# Allegro board RK_EXCAVATOR_MAIN_V12_20161114_FZBFINAL.brd (continued)
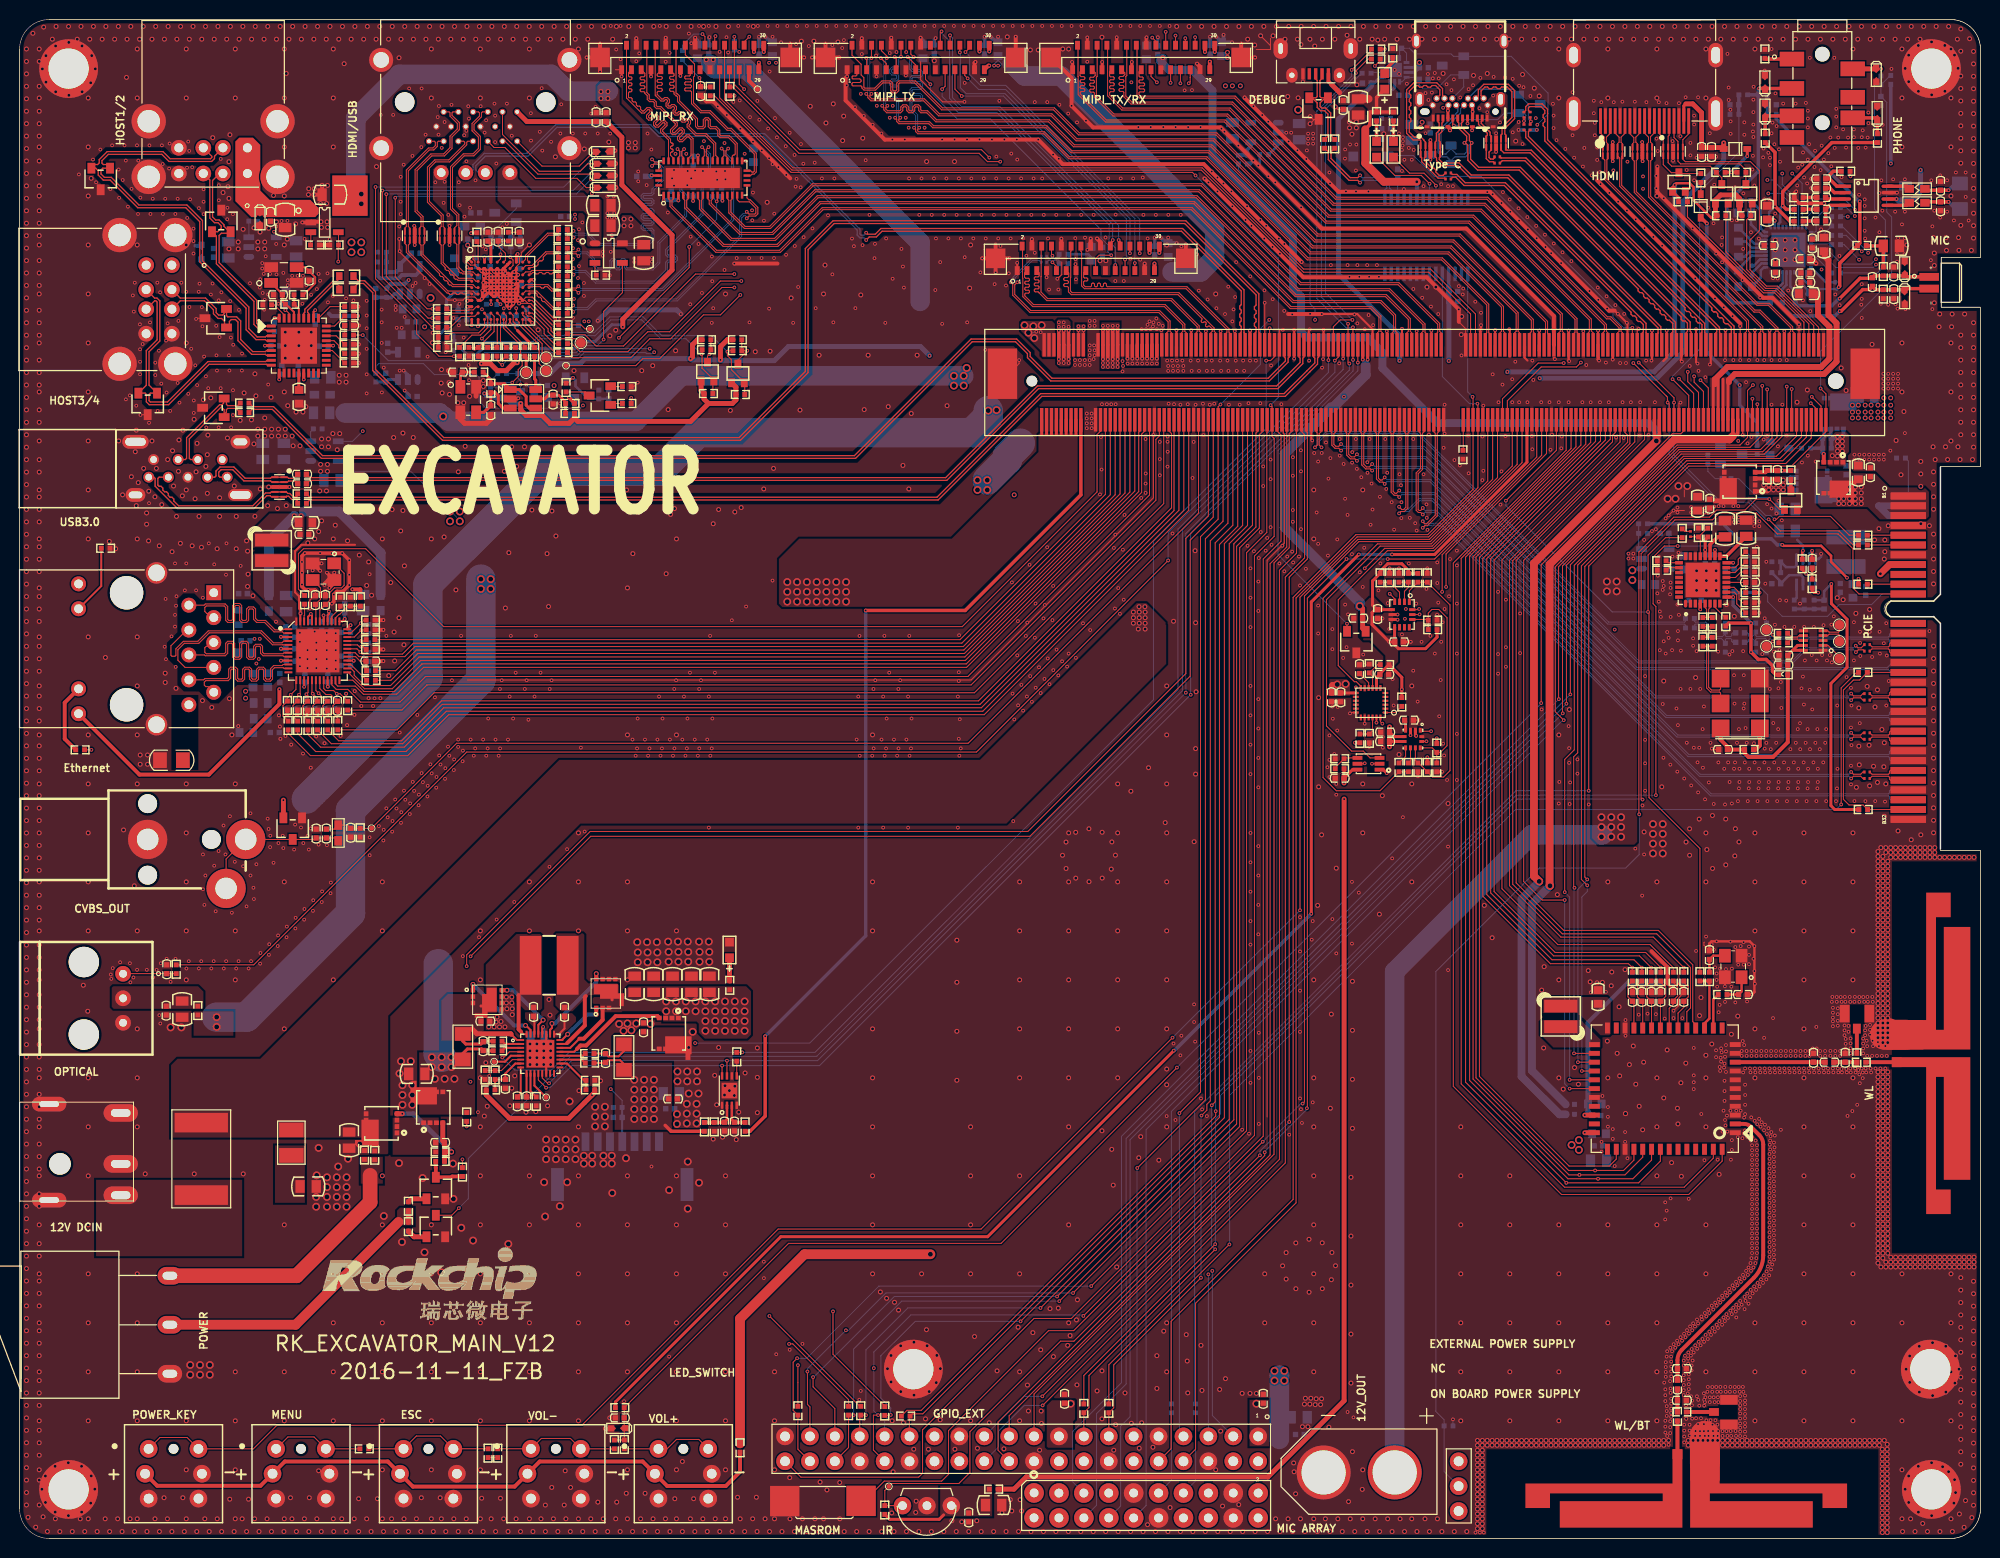
[diagram p0: board, top side]
## Nets (continued)
N15446574: TP8305.1 U8301.5(D\I\F\F\1\)
N15446739: R8303.1 U8301.8(D\I\F\F\2\)
N15446741: R8301.1 U8301.7(DIFF2)
N15848389: R8106.2 U8105.1(KEY1) U8105.2(KEY2)
N15897623: R8921.1 U8912.3(OCB)
N15964726: C2503.1 R2500.2 R2501.1
N15965181: C2500.2 U7101.5(IN2P)
N15965221: C2501.2 U7101.6(IN2N/JD2)
N16044066: ANT6103.1(ANT) R6103.2
N16100332: R9016.2 U8916.1(E/D)
N16101038: R9017.1 U8916.5(C-OUT)
N16101042: R9018.1 U8916.4(OUT)
N16352744: R8502.2 U8503.J7(REFCLK)
N16519464: C50056.1 R2233.1 R2237.2 U23033.2(CELL)
N16519582: C50057.1 R2234.1 U23033.3(VDD)
N16716934: C50060.2 R8944.2 R8963.1 R9025.1 U8911.4(BP)
N16716974: C50059.1 R8946.2 U8911.3(S\H\D\N\)
N16728445: C50042.1 R89527.2 U23031.3(S\H\D\N\)
N16729605: C8504.2 R89529.2 R89530.2 U8502.5(VCC)
N16735818: C903.2 L900.1 U900.3(SW)
N16735886: C904.2 R906.2 R908.2 R910.1
N16735898: R908.1 U900.8(FB)
N16735910: C908.1 R907.1 U900.7(VCC)
N16735918: R905.2 U900.6(EN)
N16735938: C903.1 R904.2
N16735942: R904.1 U900.5(BST)
N16735950: R907.2 R909.1 U900.1(AAM)
N16740044: C50065.2 Q8505.1(GATE) R89541.2 R89542.1
N16740100: Q8504.3(COLLECTOR) R89542.2
N16774281: R89544.1 U90010.3(OCB)
N16795367: R89546.1 U8914.6(SCL)
N16795370: R89547.1 U8914.7(SDA)
N16795373: R8928.1 U8914.5(INT#)
N16817852: TP50264.1 U7101.26(ADCDAT2)
N16818658: TP50268.1 U8503.K8(A_SD3)
N16818661: TP50267.1 U8503.K9(A_SD2)
N16818664: TP50266.1 U8503.J10(A_SD1)
N58796181: D4501.2(K) R4502.1 R4506.1
N58904798: C2617.2 J2601.1(TCT) R2635.2
N58904841: C2618.2 J2601.10(EARTH)
N59272826: J7103.1 R7127.1
N59272968: ED7101.1 J7103.7 R7124.2
N59272970: ED7103.1 J7103.3 R7122.2
N59274794: C7125.2 FB7102.2 J7104.2(+)
N59274796: C7121.1 FB7101.2 J7104.1(-)
N59274798: FB7102.1 U7102.5(VO1)
N59274800: FB7101.1 U7102.8(VO2)
N59274804: C7126.1 R7126.2
N59274823: C7122.2 U7102.2(BYPASS)
N59274825: C7124.2 U7102.3(IN+)
N59274837: C7124.1 R7125.2
N61624710: C7120.2 R7123.2 U7102.1(EN)
N61688341: D4502.2(K) R4504.1
N62644273: C503.2 C504.1 Q503.2(D1_1) Q503.3(D1_2) Q503.4(D1_3) R502.2 R507.1 U501.1(VBUS)
N62644275: R507.2 U501.2(ACN)
N62644542: R517.2 R520.2 U501.6(ILIM_HIZ)
N62644564: C517.2 R514.2 R517.1 U501.7(VDDA)
N62644679: Q503.1(G1) U501.31(HIDRV1)
N62644727: Q503.8(G2) U501.29(LODRV1)
N62644729: C510.1 L501.1 Q503.9(S1_D2) U501.32(SW1)
N62644843: Q504.8(G2) U501.26(LODRV2)
N62644900: C507.1 L501.2 Q504.9(S1_D2) U501.23(SW2)
N62644906: Q504.1(G1) U501.24(HIDRV2)
N62645064: R516.1 R518.1 U501.18(CELL_BATPRES)
N62645078: C519.1 U501.9(IBAT)
N62645082: C520.1 U501.8(IADPT)
N62645094: R521.1 U501.10(PSYS)
N62645124: C510.2 U501.30(BTST1)
N62645126: C507.2 U501.25(BTST2)
N62645172: R506.2 U501.3(ACP)
N66050367: R8509.1 U8503.C10(MIPI_CP)
N66050369: R8510.1 U8503.C9(MIPI_CN)
N66050371: R8511.1 U8503.F10(MIPI_D0P)
N66050373: R8514.1 U8503.F9(MIPI_D0N)
N66050375: R8515.1 U8503.E10(MIPI_D1P)
N66050377: R8518.1 U8503.E9(MIPI_D1N)
N66050379: R8519.1 U8503.B10(MIPI_D2P)
N66050381: R8522.1 U8503.B9(MIPI_D2N)
N66050383: R8523.1 U8503.A10(MIPI_D3P)
N66050385: R8525.1 U8503.A9(MIPI_D3N)
N66050507: C8509.1 L8501.1 Q8501.3(COLLECTOR)
N66050754: C8511.2 Q8501.2(EMITTER) R8539.2
N66050782: C8510.2 Q8501.1(BASE) R8535.1
N66050908: C8513.1 R8538.2 U8503.A6(PFIL)
N66051127: C8506.2 R8506.1 U8502.3(IN A2) Y8501.3(XOUT)
N66051175: C8505.1 R8508.1 Y8501.1(XIN)
N66051187: R8532.2 U8503.G4(VPGM)
N66051189: R8506.2 R8508.2 U8502.1(IN A1) U8502.4(OUT Y2)
N66051220: R8502.1 U8502.6(OUT Y1)
N66051903: R8527.2 U8503.J3(HPDO)
N66051964: R8513.2 U8503.J2(DDC_SDA)
N66051966: R8517.2 U8503.J1(DDC_SCL)
N66051998: R8521.2 U8503.H2(CEC)
N66052000: R8524.2 U8503.K3(HPDI)
N66052017: R8535.2 U8503.A5(DAOUT)
N66052058: C8511.1 U8503.B7(PCLKIN)
N66052142: C8512.1 R8538.1
N66052163: R8531.2 U8503.A2(REXT)
N66052184: C8507.1 U8503.A4(BIASDA)
N66052326: R8534.1 U8503.G10(A_OSCK)
N66052328: R8528.1 U8503.J9(A_SCK)
N66052330: R8529.1 U8503.H10(A_WFS)
N66052332: R8530.1 U8503.H9(A_SD0)
N66052339: R8507.1 U8503.G5(TEST)
N66052404: R8536.1 U8503.J6(IR)
N66052415: R8536.2 TP50263.1
N147164006: R8001.1 U8001.7(INT)
N147172240: R8005.1 U8002.1(NC#1)
N167282351: C50035.2 U23031.4(BP)
N167397720: Q8504.1(BASE) R8545.2
N167397721: Q8504.2(EMITTER) R8546.1
N1463967322: TP501.1 U501.11(P\R\O\C\H\O\T\)
N1463967330: TP502.1 U501.5(ENZ_OTG)

Pads without a net: J508 4; J1400 4; J2601 17 18; J4501 14; J4601 17; J4701 18; J7101 14; J7103 4 6; J8301 A5 A6 A7 A8 A19 A32 B9 B12 B30; J8303 1; J8501 14; J9002 27 28; U501 15 16 17; U1401 2 3 6 8 9 10 11 12 13 14 19 24 27 28; U2601 12; U4601 17 19 41 42; U6101 12 24 33 35 37 44 45 46 47 48; U7101 4 24 25 38; U8002 2 3 4 5 6 7 14 15 16 17 19 21; U8003 9 10 11; U8301 3; U8302 1 2 3 8 23 24 27 28 29 30 31 32; U8904 12 13 16 17 18 19 20 21; U8914 3 8; U8916 2

## Via types
v1: diameter 0.375, hole 0.2, TOP to BOTTOM, 3391 vias
v2: diameter 0.5, hole 0.3, TOP to BOTTOM, 2575 vias
v3: diameter 0.8, hole 0.5, TOP to BOTTOM, 282 vias
v4: diameter 0.4, hole 0.2, TOP to BOTTOM, 53 vias
v5: diameter 0.35, hole 0.2, TOP to BOTTOM, 7 vias

## Routing (per net, layer and track width the routed paths; a pad name or vN(x,y) marks a point on that pad's centre or on a via; arc(x,y) is an arc through that point)
12V_OUT: length 78.8
  TOP w0.102: 169.8,106.3 169.8,107
  BOTTOM w2: J8302.2 140.26,57.86 154.2,71.8 161.47,71.8
  vias: v3(161.35,73.6) v3(161.35,72.6) v3(161.35,71.6) v3(161.9,97.65) v3(161.9,96.65) v3(162.35,73.6) v3(162.35,72.6) v3(162.35,71.6) v3(162.9,97.65) v3(162.9,96.65) v3(163.35,73.6) v3(163.35,72.6) v3(163.35,71.6) v3(168.1,106.1) v3(168.9,106.1) v3(169.2,107.4) v3(170.1,107.4)
12V_SWITCH: length 134.3
  TOP w0.102: v1(46,59.4) 58.25,71.65 103.05,71.65 119.4,88 119.4,101.88 121.75,104.23 J9001.67 ; R89551.2 v1(45.17,38.68)
  S1 w0.102: v1(45.17,38.68) 45.17,58.57 v1(46,59.4)
AVDD1V0_RGMII: length 3.7
  TOP w0.2: v4(26.66,92.01) 26.68,91.99 U2601.3
  TOP w0.203: U2601.9 26.68,89.59 v4(26.66,89.57) ; U2601.40 31.42,94.22 31.55,94.35 v1(31.55,94.6)
  BOTTOM w0.4: C2612.1 31.77,94.23 31.55,94.45 v1(31.55,94.6)
AVDD3V3_RGMII: length 9.7
  TOP w0.2: v4(26.66,90.79) 26.66,90.79 U2601.6
  TOP w0.203: U2601.44 29.82,94.13 v1(29.71,94.35) 29.42,94.06 U2601.45 ; U2601.41 31.02,94.18 v1(31,94.2)
  TOP w0.4: v1(33.95,96.85) 34.75,96.85 34.75,96.85 R2629.1
  S1 w0.4: v1(31,94.2) 31.15,94.05 31.75,94.05 33.95,96.25 v1(33.95,96.85)
  BOTTOM w0.381: FB2602.2 23.88,85.27
  BOTTOM w0.4: C2607.1 26.66,90.79 v4(26.66,90.79)
  vias: v2(23.05,86.45) v2(23.05,85.75)
DVDD1V0_RGMII: length 1.2
  TOP w0.203: U2601.28 34.06,89.59 v4(34.08,89.57)
  TOP w0.254: v4(33.75,93.2) 33.42,92.87 U2601.36
DVDD3V3_RGMII: length 38.3
  TOP w0.203: U2601.21 31.42,86.94 v4(31.44,86.93) ; U2601.15 v1(29.02,86.91) ; v4(33.16,93.84) 32.91,93.58 32.62,93.58 U2601.37
  TOP w0.4: v1(26.5,86.65) 26.5,85.15 19.3,77.95 12.23,77.95 J2601.14
  S1 w0.4: v4(31.44,86.93) 32.8,88.29 32.8,93.47 v4(33.16,93.84)
  BOTTOM w0.305: C2610.1 29.1,87.03 29,86.93 ; C2629.1 v4(33.16,93.84)
GND: length 874.1
  TOP w0.102: 67.53,138.83 U4601.43 ; U4601.43 69.69,138.79 ; U4601.43 69.69,139.54 ; U8503.G9 51.64,126.67 52.31,126.67 54.53,124.45 v1(54.9,124.45) ; U8503.G9 51.54,126.35 51.87,126.02 52.14,126.02 54.31,123.85 ; U8503.G9 51.27,126.35 50.97,126.05 ; 127.59,153.09 127.59,152.34 ; 127.59,152.34 127.59,151.95 126.15,151.95 ; 127.59,152.34 v2(126.58,153.35) ; v1(119.5,123.3) J9001.58 ; v2(135.65,144.55) v2(136.35,144.55) 136.53,144.73 C1401.2 ; v1(55.13,115.82) 55.08,115.78 C8504.1 ; C6105.2 170,16.89 ; v2(134.2,146.1) 134.47,145.83 C1402.2 ; v1(105.85,128.55) 106.06,128.76 106.08,128.76 106.3,128.98 106.3,130.25 ; v1(182.02,93.02) 181.95,92.96 U8301.6 ; C6111.1 169.36,55.33 169.36,55.28 169.2,55.12 169.2,54.35 v1(168.7,53.85) ; U8902.3 8.27,137.93 ; v1(131.58,123.39) 131.5,123.3 ; v1(128.85,123.35) 128.5,123.35 J9001.94 ; R8006.1 v1(137.67,80.77) 137.65,80.75 ; J9001.298 v1(181.5,123.9) ; U8503.B8 50.67,129.78 51,130.11 51,130.76 51.17,130.92 51.17,131.22 51.85,131.9 ; v1(169.41,115.91) 169.36,115.91 169.25,115.8 J9001.251 ; 132.08,144.82 131.93,144.82 v2(131.65,145.1) ; 132.08,144.82 v2(131.63,144.37) ; 132.08,144.82 U1402.3 ; J9001.88 v1(127,126.1) ; C6103.2 186.2,49.95 ; J9001.277 175.75,112.75 v1(175.75,112.6) ; J4701.13 90.4,149.3 v1(90.4,149.3) ; U8503.B2 46.42,129.95 ; 46.42,129.95 46.45,129.97 46.45,130.35 46.25,130.54 46.25,130.95 ; 46.42,129.95 45.99,129.95 45.74,130.2 45.55,130.2 ; C2503.2 192.4,131.9 ; R8546.2 62.64,117.55 v1(63.05,117.96) ; J9001.95 128.9,114.01 128.9,112.8 129,112.7 129,101.58 127.25,99.83 127.25,43.01 ; U8002.20 137.2,83.15 v1(137.2,83.15) ; 50.97,126.05 51.84,126.05 ; 50.97,126.05 v1(50.94,126.02) ; J5001.13 107.75,129.8 107.75,129.8 107.75,130 v1(107.7,130.05) ; U8002.18 135.78,84.28 v1(135.7,84.2) ; U8907.3 18.07,124.52 ; J9001.43 115.65,114.06 v1(115.65,112.6) 115.65,106.2 97.06,87.61 45.7,87.61 ; R8908.2 v1(31.63,132.58) ; C8001.1 v1(142.69,83.51) ; J9001.162 147.5,123.45 146.8,124.15 ; J9001.76 124,123.15 v1(123.95,123.2) ; v1(172.6,80.6) 172.69,80.51 C9011.2 ; J5001.32 119.69,130.64 ; J9001.232 165,123.28 v1(165.16,123.44) ; v1(29.6,94.9) 29.7,94.9 29.6,95 29.6,95.75 30.06,96.21 C2604.2 v1(30.17,96.73) ; 169.8,104.9 v1(168.7,104.9) v1(168.2,104.4) v1(167.9,104.1) ; U8903.3 20.95,135.55 ; v1(96.38,146.61) 94.14,146.61 91.9,148.85 91.9,150.7 ; U4501.3 v1(168.65,140.6) ; C6106.2 170.08,14.1 ; U8503.G2 46.42,126.7 45.55,126.7 45.23,126.37 v1(44.4,126.37) 43.66,126.37 41.41,128.63 v1(41.31,128.63) 41.31,128.73 38.77,131.27 v1(38.77,131.37) 38.72,131.42 v1(38.72,132.62) ; U8503.J8 50.67,125.53 v1(50.65,125.55) ; 60.79,149.89 J4601.1 ; C6113.2 171.8,60.54 171.8,60.8 171.85,60.85 ; 30.42,92.23 U2601.49 ; 12.36,114.68 U8906.3 ; J9001.355 100.91,118.86 101.95,119.9 v1(101.95,120.25) ; J4701.32 102.34,151.14 ; J9001.274 175.5,124
  TOP w0.2: J9001.228 164,123.99 v1(163.94,124.05) v1(163.02,124.97) 162.69,125.3 ; v1(132.82,124.95) 136.45,124.95 138,123.4 J9001.132 ; v1(29.25,127.9) 29.53,128.18 C8901.2 ; v4(28.65,94.4) 28.65,94.75 28.5,94.9 28.5,96.15 28.1,96.55 28.1,100.75 28.75,101.4 34.22,101.4 ; 168.1,56.6 v1(168.5,56.2) ; 169.2,56.61 169.41,56.4 169.55,56.4 v1(169.75,56.2) ; v1(130,120.4) J9001.100 v1(130,123.35) ; v1(101.75,130.18) 101.75,130.17 J5001.1 ; J4701.7 v1(87.4,149.2) ; J4601.1 v1(61.4,149.2) ; J5001.7 v1(104.75,128.7) ; v1(133,123.35) J9001.112 ; J9001.107 131.75,112.15 ; Y6101.4 v1(173.94,56.34) ; 131.5,123.3 J9001.106 ; J4701.1 v1(84.4,149.2)
  TOP w0.203: v1(118,123.3) J9001.52 ; 153.5,121.03 153.5,120.51 153.81,120.2 ; J9001.174 v1(150.5,123.3) ; v1(172.4,119.8) 172.5,119.9 J9001.262 ; U2601.47 28.62,94.37 v4(28.65,94.4) ; J9001.280 v1(177,123.3) ; v1(166.45,120.2) 166.5,120.25 J9001.238 v1(166.5,123.25) ; v1(151.95,123.4) 152,123.35 J9001.180 ; 149,123.13 149,123.46 149.06,123.53 v1(149.06,123.81) ; v1(121,123.2) J9001.64 ; J9001.286 v1(178.5,123.25) ; J9001.216 v1(161,123.25) ; J9001.58 v1(119.5,123.3) ; v1(168,123.25) J9001.244 168,120.5 167.65,120.15 ; v2(53.46,48.36) 53.71,48.11 U501.14 ; v1(139.45,123.2) 139.5,123.15 J9001.138 ; J8903.E6 148.19,143.74 v1(148.15,143.7) ; v1(144,123.25) J9001.156 ; J9001.192 v1(155,123.25) ; J9001.250 169.5,120.35 169.4,120.25 ; J9001.292 v1(180,123.2) ; J9001.268 v1(174,123.3) ; U501.27 53.71,50.71 v2(53.46,50.46) ; v1(171,123.4) J9001.256 171,120.05 v1(171.15,119.9) ; v1(122.5,123.2) J9001.70 ; J9001.144 v1(141,123.45) ; 161.1,120.49 161,120.59 ; v1(142.5,123.2) J9001.150 ; J9001.210 v1(159.5,123.2)
  TOP w0.25: C6112.2 v1(176.7,55.51) 176.95,55.76 v1(176.95,57.9) v1(176.95,60.45) 176.47,60.93 v1(173.1,60.93) 172.58,60.93 172.35,60.7 172.36,60.69 C6113.2
  TOP w0.254: J9001.168 149,123.13 149,123.14 ; J9001.180 152,120.65 ; J9001.222 v1(162.5,120.3) ; v1(158,123.25) J9001.204 158,120.2 v1(158.05,120.15) ; 156.5,120.45 v1(156.6,120.35)
  TOP w0.3: U8503.F7 v1(49.69,127.32) ; U8503.F7 v1(50.34,126.67) ; U8503.F7 v1(50.34,127.32) ; U8503.F7 v1(49.69,126.67) ; v1(49.69,127.32) U8503.F6 ; v1(49.69,127.32) U8503.E6 ; v1(49.69,127.32) U8503.E7 ; v1(48.39,129.27) U8503.B5 49.04,129.28 v1(49.04,129.27) ; v1(48.39,129.27) U8503.B4 v1(47.74,129.27) ; v1(48.39,129.27) v1(49.04,128.62) ; U8503.F6 v1(49.04,127.32) ; U8503.F6 v1(49.69,126.67) ; U8503.F6 49.37,126.97 v1(49.1,126.7) ; U8503.A7 49.79,130.01 49.78,130.01 49.78,130 U8503.B6 ; v1(49.04,127.32) U8503.E5 ; v1(49.04,127.32) U8503.F5 ; v1(49.04,127.32) U8503.E6 ; U8503.E5 v1(49.04,127.97) ; U8503.E5 v1(48.39,127.97) ; U8503.E5 v1(48.39,127.32) ; v1(49.1,126.7) 49.1,126.62 U8503.G6 ; v1(49.1,126.7) 49.02,126.7 U8503.F5 ; v1(49.69,126.67) U8503.G7 ; v1(49.69,126.67) U8503.G6 ; v1(50.83,128.3) 50.83,128.32 50.53,128.62 50.52,128.62 ; v1(50.83,128.3) U8503.D9 ; v1(50.83,128.3) 50.83,128.27 ; v1(47.74,129.27) v1(48.07,128.95) ; v1(47.74,129.27) U8503.B3 47.35,129.6 v1(47.1,129.35) ; v1(48.07,128.95) v1(48.39,128.62) ; v1(48.07,128.95) v1(47.74,128.62) U8503.D4 ; v1(50.34,127.32) U8503.E7 ; v1(50.34,127.32) 50.35,127.32 50.83,127.8 ; v1(50.34,127.32) 50.83,126.84 50.83,126.67 ; U8503.E7 v1(50.34,127.97) ; U8503.E7 v1(49.69,127.97) ; U8503.D7 v1(50.34,128.62) 50.03,128.93 ; U8503.D7 v1(49.69,127.97) ; U8503.D7 v1(49.69,128.62) ; U8503.D7 v1(50.34,127.97) ; U8503.F4 v1(47.74,127.32) U8503.E4 ; U8503.F4 v1(48.39,127.32) ; U8503.F4 48.32,126.75 48.47,126.75 U8503.F5 ; U8503.E4 v1(48.39,127.97) ; U8503.E4 v1(48.39,127.32) ; U8503.E4 v1(47.74,127.97) U8503.D4 ; v1(49.69,127.97) U8503.E6 ; v1(49.69,127.97) U8503.D6 ; v1(165.5,142.5) 165.52,142.48 U4503.8 U4503.3 165.52,140.58 v1(165.55,140.55) ; v1(50.34,126.67) 50.94,126.07 v1(50.94,126.02) ; v1(50.34,126.67) 50.83,127.16 50.83,127.8 ; v1(50.34,126.67) U8503.G7 ; v1(50.34,126.67) 50.83,126.67 ; v1(49.69,128.62) U8503.D6 ; v1(49.69,128.62) 50,128.93 50.03,128.93 ; v1(49.69,128.62) 49.04,129.27 v1(49.04,129.27) ; U8503.D5 v1(48.39,127.97) ; U8503.D5 v1(49.04,127.97) ; U8503.D5 v1(48.39,128.62) ; U8503.D5 v1(49.04,128.62) ; v1(48.39,127.97) U8503.D4 ; v1(125.5,123.25) J9001.82 ; 50.83,126.67 v1(50.9,126.6) 51.07,126.6 U8503.G9 ; 50.03,128.93 50.35,129.25 v1(50.45,129.25) 50.67,129.47 U8503.B8 ; 50.03,128.93 49.85,129.11 v1(49.54,129.11) ; 50.83,127.8 50.83,128.27 ; 50.83,128.27 50.53,127.97 v1(50.34,127.97) ; v1(48.39,128.62) U8503.D4 ; v1(48.39,128.62) 48.39,128.63 v1(49.04,129.27) ; U8503.B6 49.36,129.6 v1(49.04,129.27) ; U8503.B6 49.54,129.43 v1(49.54,129.11) ; v1(48.39,127.32) U8503.F5 ; v1(49.04,127.97) U8503.D6 ; v1(49.04,127.97) U8503.E6 ; U8503.D6 v1(49.04,128.62) ; U8503.G7 v1(50.34,126.02) ; U8503.G7 v1(49.69,126.02) U8503.G6 ; U8503.G2 47,126.35 v1(47.15,126.5) ; J4601.13 67.4,149.25 v1(67.4,149.25) ; v1(49.04,128.62) v1(49.54,129.11) ; v1(162.5,140.55) 162.49,140.56 U4502.3 U4502.8 162.49,142.49 v1(162.5,142.5) ; J4601.7 v1(64.4,149.2) ; v1(84.4,149.2) 84.25,149.05
  TOP w0.305: v1(40.3,132) 40.3,132 U8504.3 U8504.8 40.3,133.9 v1(40.25,133.95) ; C8009.1 v1(139.02,93.88) ; R8018.1 v1(143.58,99) ; U8502.2 50.77,116.3 50.83,116.36 v1(50.86,116.36) ; v1(110.42,150.67) 110.42,149.9 J4702.7 ; R8015.2 v1(139.73,99) ; v1(47.3,128.15) 47.35,128.2 v1(47.35,128.8) ; v1(47.3,128.15) 47.57,128.15 v1(47.74,127.97) 47.74,127.89 47.55,127.7 47.3,127.7 ; v1(47.3,128.15) 47.3,127.7 ; 47.2,126.55 v1(47.2,127.35) ; 47.2,126.55 47.74,127.09 v1(47.74,127.32) 47.23,127.32 v1(47.2,127.35) ; 47.2,126.55 v1(47.15,126.5) ; v1(47.2,127.35) 47.3,127.45 47.3,127.7 ; R8019.1 v1(144.58,94.27) ; v1(50.9,126.6) 50.9,126.58 v1(50.34,126.02) 50.34,125.94 v1(49.95,125.55) 49.69,125.81 v1(49.69,126.02) ; U8003.7 140.52,93.78 v1(140.55,93.76) ; U8003.6 v1(140.55,94.28) ; U8005.1 139.09,78.46 v1(139.45,78.1) ; J9001.192 155,121.21 155,121.21 ; v1(47.74,128.62) 47.53,128.62 v1(47.35,128.8) ; C8004.1 C8002.2 ; v1(114.95,153.19) 114.9,153.15 J4702.16 ; U8001.3 v1(141.87,81.97) ; v1(50.45,129.25) 50.55,129.25 v1(50.85,128.95) 50.52,128.62 v1(50.34,128.62) ; 153.47,121.01 153.5,121.03 J9001.186 ; J4702.1 107.4,150.62 v1(107.35,150.67) ; R8011.1 v1(145.09,78.24) ; v1(47.35,128.8) 47.74,129.19 v1(47.74,129.27) ; v1(47.35,128.8) 47.35,129.1 v1(47.1,129.35) 46.85,129.6 U8503.B2 ; v1(43.85,132) 43.85,132 U8505.3 43.85,133.16 43.85,133.16 43.85,133.95 43.85,133.96 ; v1(141.9,91.5) 141.89,91.49 C8010.1 ; v1(142.45,81.9) 142.4,81.9 142.37,81.93 U8001.2 ; J4702.4 v1(108.9,153.18) ; v1(161.1,120.2) 161,120.3 J9001.216 ; v1(113.44,150.67) 113.44,149.93 J4702.13 ; J4702.10 v1(111.9,153.2) ; R8013.2 v1(140.7,99) ; R8010.1 v1(142.62,77.77)
  TOP w0.35: v1(31.85,95.4) 32.05,95.6 v1(32.05,96.33) 32.37,96.65 32.99,96.65 v1(33.62,97.29) v1(33.62,98.35) v1(33.62,99.83) v1(32.9,100.55) v1(31.85,100.55) v1(30.65,100.55) v1(29.1,100.55) 28.8,100.25 v1(28.8,99.65) v1(28.8,98.55) v1(28.8,97.35) 28.8,97.15 29.16,96.79 v1(29.45,96.79) 30.11,96.79 v1(30.17,96.73) ; 29.89,99.51 v1(30.65,98.75) ; 29.89,99.51 v1(30.79,99.51) ; 29.89,99.51 Y2601.2 v1(29.89,98.79) ; v2(25.4,107.3) U90004.3 U90004.8 v1(27.52,107.3) ; C7120.1 v1(182.75,138.75) ; C7122.1 v1(182.75,137.8) ; v1(31.1,97.3) 31.1,97.45 31.46,97.81 Y2601.4 ; 32.09,97.81 Y2601.4 ; 32.09,97.81 v1(32.09,98.56) ; 32.09,97.81 v1(31.35,98.55) ; Y2601.4 32.09,97.49 v1(31.6,97) ; v1(181.21,137.46) 181.21,137.46 181.02,137.27 R7125.1 181.02,136.73 181.5,136.25 v1(184.05,136.25) ; v1(143.9,140.7) U90005.3 U90005.8 v1(143.9,142.7) ; U7102.7 v1(191.49,137.34) ; C2603.2 v1(31.18,96.67)
  TOP w0.381: v4(31.44,84.08) 31.4,84.12 R2617.1 ; R2606.1 27.32,84.13 v1(27.27,84.08) ; v4(30.42,84.08) 30.38,84.12 R2615.1 ; v4(29.3,84.08) 29.37,84.15 R2608.1 ; C2601.2 32.41,84.39 32.65,84.15 v4(32.65,84.1) ; v4(28.29,84.08) 28.33,84.13 R2613.1
  TOP w0.4: v1(34.55,125.7) 34.54,125.71 R8910.1 ; J4601.10 v1(65.9,153.15) ; v2(24.52,133.32) ED8901.2 24.22,134.07 v2(23.9,133.75) ; v1(97.49,150.67) 97.4,150.58 J4701.27 ; R8913.1 v1(34.6,119.96) ; J4601.31 v1(59.2,149.7) ; J4601.31 v1(59.2,152.55) ; J4601.31 v1(57.84,151.14) ; 166.45,59.93 168.1,58.28 168.1,56.6 ; J5001.31 v1(100.96,130.64) ; J5001.31 99.55,132.05 ; J5001.31 v1(99.55,129.2) ; J5001.31 v1(98.19,130.64) ; R8912.1 v1(34.6,120.91) ; J5001.18 110.25,132.3 v1(109.9,132.65) ; J5001.32 v1(118.95,132.05) ; J4701.31 v1(80.84,151.14) ; J4701.31 v1(83.61,151.14) ; J4701.31 v1(82.2,152.55) ; C4601.2 69.46,147.25 70.05,146.65 70.75,146.65 78.6,138.8 ; J4701.10 v1(88.9,153.15) ; v1(181.5,123.9) 178.8,126.6 177.85,126.6 167.05,137.4 v1(167.05,140) ; v2(30.03,137.13) C8941.2 v2(30.85,138.08) ; v1(124.95,147.06) 124.95,147.01 134.54,137.43 149.98,137.43 162.11,125.3 162.69,125.3 ; 84.25,149.05 84.25,146.75 88.25,142.75 v1(103.9,142.75) 106.41,140.24 120.79,140.24 v1(130.77,130.27) ; v1(169.75,56.2) C6111.1 ; C8907.1 v1(34.6,123.78) ; 146.8,124.15 v1(146.8,125.42) 143.52,128.7 130.94,128.7 v1(120.88,138.76) 120.84,138.8 ; v1(168.5,56.2) 168.68,56.2 C6114.1 ; 77.3,130.1 v1(72.9,130.1) ; v2(30.74,134.37) 29.77,134.37 U8901.2 v1(28.84,134.3) ; C2602.2 v1(37.1,89.53) ; v1(37.1,90.72) R2611.1 ; J5001.27 v1(114.75,130.1) ; 129.38,124.95 v1(132.82,124.95) ; J4701.4 v1(85.9,153.1) ; v1(78.6,152.55) J4601.32 v1(80.01,151.14) ; J5001.10 v1(106.25,132.65) ; v1(164.5,56.2) C6108.1 ; 175.5,124 v1(170.91,128.59) 160.92,138.58 ; C6110.1 v1(167.4,56.2) ; J8903.E7 145.9,143.85 v5(145.9,143.7) ; J4701.32 v1(101.6,153.25) ; J4701.16 v1(91.9,153.15) ; C6109.1 v1(166.43,56.2) ; J5001.4 v1(103.25,132.6) ; C6107.1 v1(165.46,56.2) ; R8911.1 v1(34.6,121.86) ; J4702.31 107.3,149.04 v1(107.3,146.2) 109.5,144 122.5,144 132.83,133.67 147.58,133.67 156.5,124.75 J9001.198 ; J5001.16 v1(109.25,132.65) ; v1(124.6,152.55) J4702.32 v1(126.01,151.14) ; v1(37.1,92.72) R2602.1 ; v1(120.1,150.5) 120.4,150.2 J4702.27 ; R8909.2 R8908.2 ; v1(37.1,93.72) R2604.1 ; J4601.4 v1(62.9,153.1) ; J4601.16 v1(68.9,153.15)
  TOP w0.402: 193,5 H503.1 195,7.55
  TOP w0.5: ED8502.2 v1(60.79,139.09) ; v1(43.75,119.18) 43.89,119.03 C8505.2 ; v1(60.71,141.63) 60.22,141.63 ED8504.2 ; ED8503.2 v1(60.79,140.31) ; 46.56,116.56 Y8501.4
  TOP w0.508: C8506.1 48.06,114.25 47.61,113.79 45.37,113.79 44.96,114.2 Y8501.2 ; ED8501.2 v1(60.82,137.87)
  TOP w1: 172.2,10.5 171.9,10.2
  TOP w3: 190.75,51.4 v2(190.55,51.6)
  TOP w3.048: ANT6102.2 190.26,51.4 190.25,51.41 ; v1(171.9,10.46) ANT6104.2
  GND1 w0.102: 100.3,124.6 101.95,122.95 v1(101.95,120.25)
  GND1 w0.402: 193,5 H503.1 ; 8.05,5 7.25,4.2 v2(7.25,3.6) 5.85,5 H502.1 ; H504.1 5.8,150 v2(7.25,148.55) 7.25,149.2 8.05,150
  S1 w0.102: v1(131.94,142.34) v1(131.43,142.34)
  S1 w0.402: 193,5 H503.1
  BOTTOM w0.102: v2(185.4,96) 185.7,96.3 C8337.2 ; v1(131.43,142.34) 131.03,142.74 C90046.2 ; v2(136.4,148.35) 136.58,148.53 C8926.2 ; R89540.1 v1(146.2,12.15) ; C50066.2 52.5,116.93 v1(51.67,117.75) ; R8313.2 178.18,93.72 ; v1(129.19,143.46) 129.18,143.48 U90010.2 ; U90007.3 143.8,140.8 ; v1(124.32,142.14) 123.71,142.75 C90047.2 ; 146.41,137.69 U1401.26 ; C8942.2 27.48,132.42 v2(27.3,132.6)
  BOTTOM w0.254: v1(126.35,140.11) 126.51,140.27 R89544.2 ; v1(183.75,100.48) 183.75,100.21 183.5,99.95 U900.4
  BOTTOM w0.3: 122.62,152.68 C4707.2
  BOTTOM w0.305: C4706.2 v1(116.1,153.2) ; v1(39.17,119.18) 39.6,118.75 U23031.2 ; v1(39.28,117.14) 39.64,116.78 C50038.2 ; v1(70.37,153.21) 70.3,153.15 C4604.2 ; C8521.1 44.73,125.85 v1(44.86,125.98) ; C4603.2 69.15,152.91 v1(68.9,153.15) ; C4701.2 v1(114.95,153.19) ; v1(91.9,153.15) 92.15,152.91 C4702.2 ; C4703.2 93.3,152.98 v1(93.43,153.11)
  BOTTOM w0.381: v1(125.84,140.61) 125.49,140.27 R89550.2
  BOTTOM w0.4: C5005.2 v1(118.02,132.18) ; C5005.2 116.97,132.18 v1(116.4,132.75) ; C5005.2 v1(117.15,132.75) ; v1(99.8,153.25) C4704.2 99.62,152.68 v1(99.05,153.25) ; C4705.2 v1(98.43,153.25) ; v1(122.8,153.45) 122.8,152.68 ; 122.8,152.68 v1(123.67,152.68) ; 122.8,152.68 122.62,152.68 v1(122.05,153.25) ; v1(76.05,153.25) 76.62,152.68 C4602.2 ; 17.93,131.92 ED8902.2 ; 21.65,133.1 21.27,132.72 C8910.2 ; C5006.2 v1(115.78,132.75) ; v1(154.76,143.74) R8927.2 ; v1(152.9,143.74) R8926.2 ; C4605.2 v1(75.43,153.25) ; C4708.2 v1(121.43,153.25)
  BOTTOM w0.402: 193,5 H503.1 195,7.55
  BOTTOM w0.508: v1(67.45,124.95) 67.03,125.37 60.1,125.37 v1(58.99,124.26)